# Altium PCB 4S SMART BMS İsmet Akalın.PcbDoc (part 1 of 2) (continued)
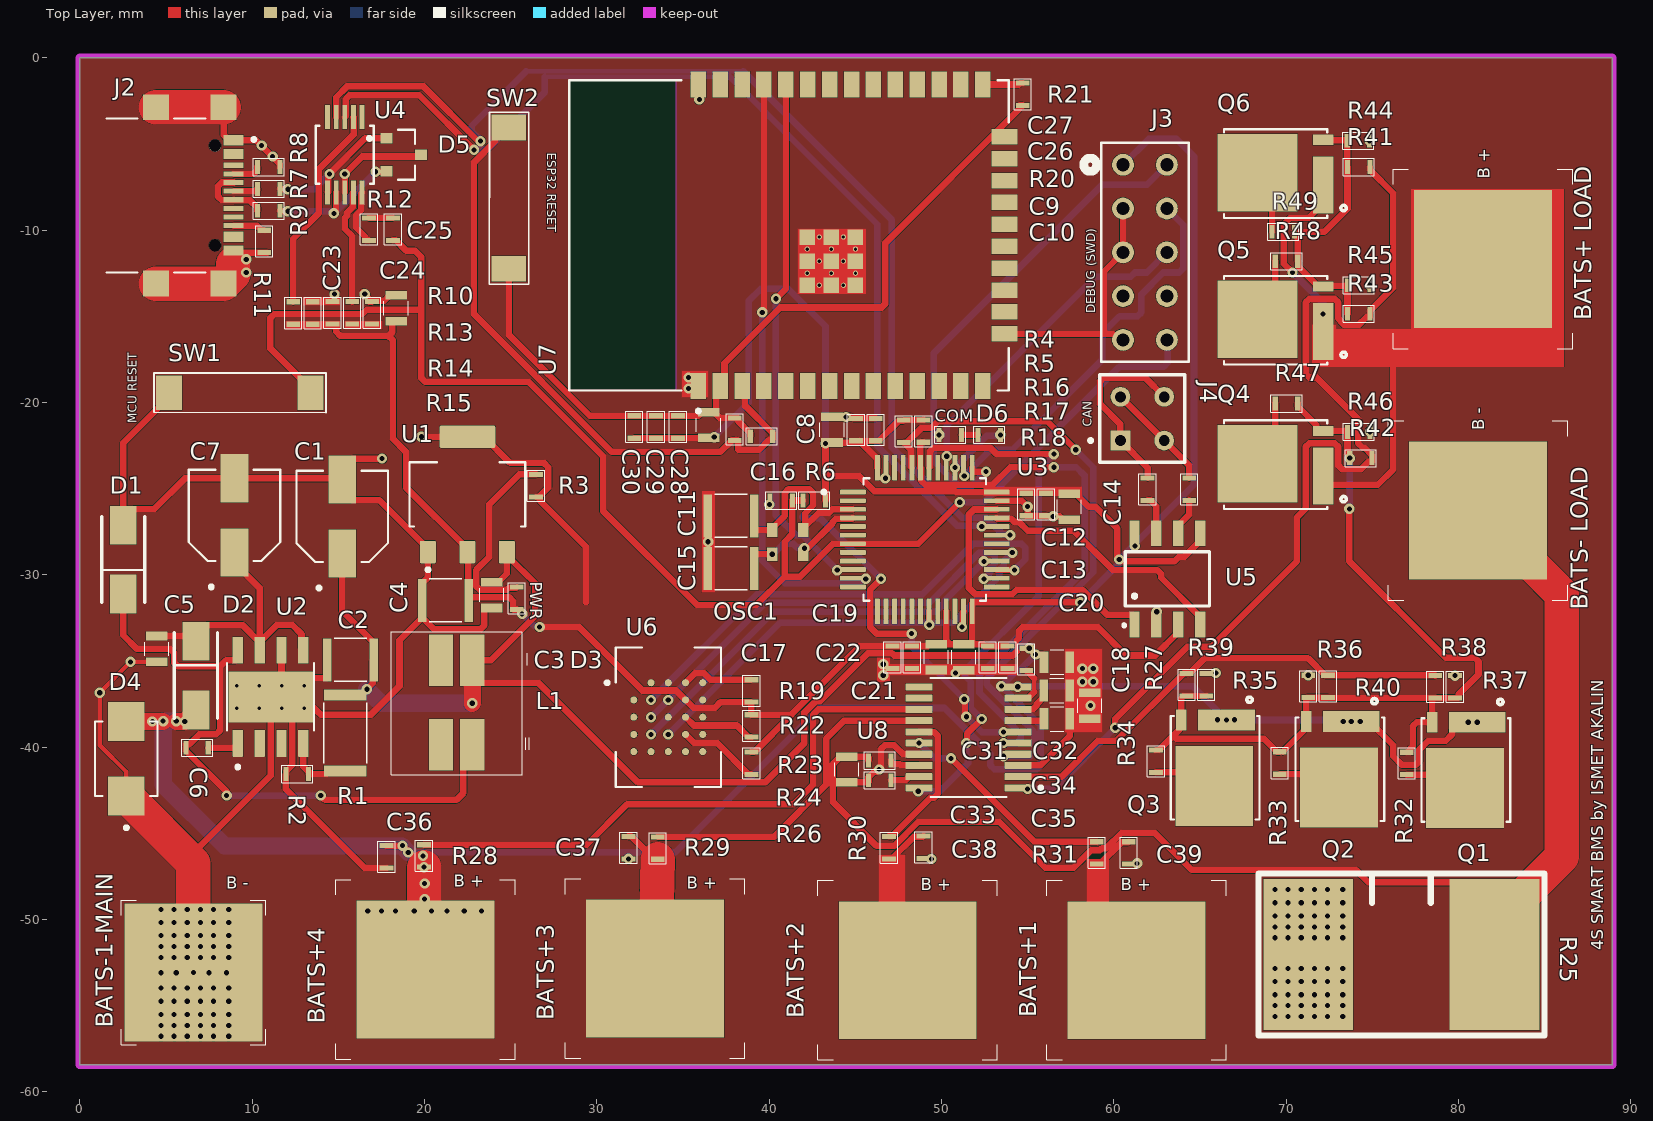
[diagram p0: Top Layer view]
## Components (designator, comment, footprint, x,y, rotation, side; value= is the part's Value field where it differs from the comment) (continued)
R23 "RMCF0603FT10K0" "RES 0603" 38.964,-40.919 r270 top value=10kΩ
R24 "RCP0603W10R0GEB" "RES 0603" 46.406,-41.91 r180 top value=10Ω
R25 "SSA5931LR001FDR" "Shunt 5931" 76.683,-52.019 r180 top value=1mΩ
R26 "RCP0603W10R0GEB" "RES 0603" 46.406,-40.767 r180 top value=10Ω
R27 "RT0603DRE0710RL" "RES 0603" 54.915,-34.9 r270 top value=10Ω
R28 "RG1608P-104-B-T5" "RES 0603" 19.964,-46.304 r90 top value=100kΩ
R29 "RG1608P-104-B-T5" "RES 0603" 33.528,-45.847 r90 top value=100kΩ
R30 "RG1608P-104-B-T5" "RES 0603" 46.939,-45.822 r90 top value=100kΩ
R31 "RG1608P-104-B-T5" "RES 0603" 59.004,-46.126 r90 top value=100kΩ
R32 "RG1608P-104-B-T5" "RES 0603" 76.992,-40.936 r270 top value=100kΩ
R33 "RG1608P-104-B-T5" "RES 0603" 69.626,-40.911 r270 top value=100kΩ
R34 "RG1608P-104-B-T5" "RES 0603" 62.437,-40.809 r270 top value=100kΩ
R35 "RG1608P-101-B-T5" "RES 0603" 65.358,-36.364 r90 top value=100Ω
R36 "RG1608P-101-B-T5" "RES 0603" 71.277,-36.466 r90 top value=100Ω
R37 "RG1608P-101-B-T5" "RES 0603" 79.786,-36.491 r90 top value=100Ω
R38 "RG1608P-101-B-T5" "RES 0603" 78.643,-36.491 r270 top value=100Ω
R39 "RG1608P-101-B-T5" "RES 0603" 64.215,-36.364 r270 top value=100Ω
R40 "RG1608P-101-B-T5" "RES 0603" 72.42,-36.466 r270 top value=100Ω
R41 "RG1608P-101-B-T5" "RES 0603" 74.202,-6.329 r0 top value=100Ω
R42 "RG1608P-101-B-T5" "RES 0603" 74.329,-23.22 r0 top value=100Ω
R43 "RG1608P-101-B-T5" "RES 0603" 74.202,-14.838 r0 top value=100Ω
R44 "RG1608P-101-B-T5" "RES 0603" 74.187,-4.805 r180 top value=100Ω
R45 "RG1608P-101-B-T5" "RES 0603" 74.202,-13.187 r180 top value=100Ω
R46 "RG1608P-101-B-T5" "RES 0603" 74.202,-21.696 r180 top value=100Ω
R47 "RG1608P-104-B-T5" "RES 0603" 70.011,-20.045 r0 top value=100kΩ
R48 "RG1608P-104-B-T5" "RES 0603" 70.011,-11.79 r0 top value=100kΩ
R49 "RG1608P-104-B-T5" "RES 0603" 69.825,-10.084 r0 top value=100kΩ
SW1 "PTS636SM50JSMTR LFS" "SWITCH TACTILE" 9.271,-19.431 r0 top
SW2 "PTS636SM50JSMTR LFS" "SWITCH TACTILE" 24.892,-8.128 r270 top
U1 "AMS1117-3.3" SOT-223-3L 22.479,-25.324 r0 top
U2 "TPS5430DDA" 8SOPWR 11.059,-37.074 r90 top
U3 "STM32G431CBT6" LQFP48 49.022,-27.94 r0 top
U4 "USB TO SERIAL IC - CH340E (10 PA" 10-MSOP 15.367,-5.613 r90 top
U5 "MCP2562-H/SN" 8-SOIC 63.094,-30.226 r90 top
U6 "W25Q128JVBJM" "24-TFBGA (6x8)" 34.138,-38.252 r0 top
U7 "ESP32-WROOM-32 (16MB)" "ESP32-WROOM-32 (16MB)" 41.141,-10.289 r90 top
U8 "BQ7692000PW" 20-TSSOP 51.562,-39.426 r180 top

## Footprints (in the part's own frame and the unit in brackets; to place one, negate y for a bottom-side part, rotate by r counter-clockwise, add the part's x,y. Pads: shape width x height; smd on the part's side, far side on the other; paste and mask are expansions set on the pad)
8-PowerTDFN [mm]
  rect 1.2x3.3 smd paste-3 mask+0: DRAIN(-2.775,0.66)
  rect 1.2x0.6 smd paste-2 mask-0.05: GATE(-2.775,-1.96)
  rect 4.65x4.51 smd paste-3 mask+0: SOURCE(1.05,-0.055)
  silkscreen extent -4.11,-2.58 3,2.58, body extent -3.03,-2.61 3,2.61, height 1.2
8-SOIC [mm]
  rect 1.5x0.6 smd: 1(-2.65,1.905) 2(-2.65,0.635) 3(-2.65,-0.635) 4(-2.65,-1.905) 5(2.65,-1.905) 6(2.65,-0.635) 7(2.65,0.635) 8(2.65,1.905)
  silkscreen extent -2.84,-2.45 1.58,2.64, body extent -3,-2.45 3,2.45, height 1.75
8SOPWR [mm]
  rrect5% 1.55x0.6 smd mask+0: 1(-2.7,1.905) 2(-2.7,0.635) 3(-2.7,-0.635) 4(-2.7,-1.905) 5(2.7,-1.905) 6(2.7,-0.635) 7(2.7,0.635) 8(2.7,1.905)
  rect 2.95x4.9 smd paste-3 mask+0: 6(0,0)
  round 0.3 hole 0.2: 10(-0.65,1.95) 11(0.65,1.95) 12(-0.65,0.65) 13(0.65,0.65) 14(-0.65,-0.65) 15(0.65,-0.65) 16(-0.65,-1.95) 17(0.65,-1.95)
  silkscreen extent -4.17,-2.52 1.95,2.52, body extent -3,-2.45 3,2.45, height 1.7
10-MSOP [mil]
  rect 55x11 smd: 1(-86,39.4) 2(-86,19.7) 3(-86,0) 4(-86,-19.7) 5(-86,-39.4) 6(86,-39.4) 7(86,-19.7) 8(86,0) 9(86,19.7) 10(86,39.4)
  silkscreen extent -66,-66 66,66, body extent -96,-59 96,59, height 43
20-TSSOP [mm]
  rrect25% 1.57x0.41 smd: 1(-2.87,2.925) 2(-2.87,2.275) 3(-2.87,1.625) 4(-2.87,0.975) 5(-2.87,0.325) 6(-2.87,-0.325) 7(-2.87,-0.975) 8(-2.87,-1.625) 9(-2.87,-2.275) 10(-2.87,-2.925) 11(2.87,-2.925) 12(2.87,-2.275) 13(2.87,-1.625) 14(2.87,-0.975) 15(2.87,-0.325) 16(2.87,0.325) 17(2.87,0.975) 18(2.87,1.625) 19(2.87,2.275) 20(2.87,2.925)
  silkscreen extent -4.29,-3.45 2.2,3.45, body extent -3.2,-3.25 3.2,3.25, height 1.2
"24-TFBGA (6x8)" [mm]
  round 0.41 smd: A2(-1,2) A3(0,2) A4(1,2) A5(2,2) B1(-2,1) B2(-1,1) B3(0,1) B4(1,1) B5(2,1) C1(-2,0) C2(-1,0) C3(0,0) C4(1,0) C5(2,0) D1(-2,-1) D2(-1,-1) D3(0,-1) D4(1,-1) D5(2,-1) E1(-2,-2) E2(-1,-2) E3(0,-2) E4(1,-2) E5(2,-2)
  silkscreen extent -3.65,-4.05 3.05,4.05, body extent -3,-4 3,4, height 1.2
"BATTERY +1S" [mm]
  rect 8x8 smd mask+0.08: +(0,0)
  silkscreen extent -5.21,-5.21 5.21,5.21
"BATTERY -1S" [mm]
  rect 8x8 smd mask+0.08: -(0,0)
  silkscreen extent -4.19,-4.19 4.19,4.19
"CAP CER 0603" [mm]
  rect 0.3x0.8 smd mask+0.08: 1(-0.65,0) 2(0.65,0)
  silkscreen extent -0.9,-0.5 0.9,0.5, body extent -0.8,-0.4 0.8,0.4, height 0.8
"CAP CER 0805" [mm]
  rect 0.5x1.25 smd mask+0.08: 1(-0.75,0) 2(0.75,0)
  silkscreen extent -0.4,-0.7 0.4,0.7, body extent -1,-0.63 1,0.63, height 1.23
"CAP CER 1210" [mm]
  rect 0.5x2.5 smd mask+0.08: 1(-1.35,0) 2(1.35,0)
  silkscreen extent -0.95,-1.25 0.95,1.25, body extent -1.6,-1.25 1.6,1.25, height 2.5
CAP_EEE-1AA101WR [mm]
  rect 2.8x1.6 smd: 1(-2.15,0) 2(2.15,0)
  silkscreen extent -4.25,-2.65 2.65,2.65, body extent -3,-2.65 3,2.65, height 5.8
CAP_EEE-FK1E470P [mm]
  rect 2.8x1.6 smd: 1(-2.15,0) 2(2.15,0)
  silkscreen extent -4.25,-2.65 2.65,2.65, body extent -3,-2.65 3,2.65, height 5.8
"DO-214AC (SMA)" [mm]
  rect 2.25x1.55 smd: 1(2,0) 2(-2,0)
  silkscreen extent -2.47,-1.25 2.47,1.25, body extent -2.47,-1.25 2.47,1.25, height 2.2
"ESP32-WROOM-32 (16MB)" [mm]
  rect 1.5x0.9 smd: 1(-8.75,5.26) 2(-8.75,3.99) 3(-8.75,2.72) 4(-8.75,1.45) 5(-8.75,0.18) 6(-8.75,-1.09) 7(-8.75,-2.36) 8(-8.75,-3.63) 9(-8.75,-4.9) 10(-8.75,-6.17) 11(-8.75,-7.44) 12(-8.75,-8.71) 13(-8.75,-9.98) 14(-8.75,-11.25) 25(8.75,-11.25) 26(8.75,-9.98) 27(8.75,-8.71) 28(8.75,-7.44) 29(8.75,-6.17) 30(8.75,-4.9) 31(8.75,-3.63) 32(8.75,-2.36) 33(8.75,-1.09) 34(8.75,0.18) 35(8.75,1.45) 36(8.75,2.72) 37(8.75,3.99) 38(8.75,5.26)
  rect 0.9x1.5 smd: 15(-5.715,-12.5) 16(-4.445,-12.5) 17(-3.175,-12.5) 18(-1.905,-12.5) 19(-0.635,-12.5) 20(0.635,-12.5) 21(1.905,-12.5) 22(3.175,-12.5) 23(4.445,-12.5) 24(5.715,-12.5)
  rect 0.9x0.9 smd: 39_1(-2.9,-1.06) 39_2(-1.5,-1.06) 39_3(-0.1,-1.06) 39_4(-2.9,-2.46) 39_5(-1.5,-2.46) 39_6(-0.1,-2.46) 39_7(-2.9,-3.86) 39_8(-1.5,-3.86) 39_9(-0.1,-3.86)
  round 0.3 hole 0.2 mask+0: 39_10(-2.2,-1.06) 39_11(-0.8,-1.06) 39_12(-2.9,-1.76) 39_13(-1.5,-1.76) 39_14(-0.1,-1.76) 39_15(-2.2,-2.46) 39_16(-0.8,-2.46) 39_17(-2.9,-3.16) 39_18(-1.5,-3.16) 39_19(-0.1,-3.16) 39_20(-2.2,-3.86) 39_21(-0.8,-3.86)
  Keep-Out Layer region: 9,6.56 -9,6.56 -9,12.75 9,12.75
  silkscreen extent -10.3,-12.75 9,12.75, body extent -9,-12.75 9,12.75, height 3.25
"LED 0603" [mm]
  rect 0.3x0.8 smd mask+0.08: 1(-0.65,0) 2(0.65,0)
  silkscreen extent -0.9,-0.5 0.9,0.5, body extent -0.8,-0.4 0.8,0.4, height 0.8
LQFP48 [mm]
  rrect25% 1.49x0.28 smd: 1(-4.17,2.75) 2(-4.17,2.25) 3(-4.17,1.75) 4(-4.17,1.25) 5(-4.17,0.75) 6(-4.17,0.25) 7(-4.17,-0.25) 8(-4.17,-0.75) 9(-4.17,-1.25) 10(-4.17,-1.75) 11(-4.17,-2.25) 12(-4.17,-2.75) 25(4.17,-2.75) 26(4.17,-2.25) 27(4.17,-1.75) 28(4.17,-1.25) 29(4.17,-0.75) 30(4.17,-0.25) 31(4.17,0.25) 32(4.17,0.75) 33(4.17,1.25) 34(4.17,1.75) 35(4.17,2.25) 36(4.17,2.75)
  rrect25% 0.28x1.49 smd: 13(-2.75,-4.17) 14(-2.25,-4.17) 15(-1.75,-4.17) 16(-1.25,-4.17) 17(-0.75,-4.17) 18(-0.25,-4.17) 19(0.25,-4.17) 20(0.75,-4.17) 21(1.25,-4.17) 22(1.75,-4.17) 23(2.25,-4.17) 24(2.75,-4.17) 37(2.75,4.17) 38(2.25,4.17) 39(1.75,4.17) 40(1.25,4.17) 41(0.75,4.17) 42(0.25,4.17) 43(-0.25,4.17) 44(-0.75,4.17) 45(-1.25,4.17) 46(-1.75,4.17) 47(-2.25,4.17) 48(-2.75,4.17)
  silkscreen extent -5.96,-3.55 3.55,3.55, body extent -4.5,-4.5 4.5,4.5, height 1.58
"NTC 1206" [mm]
  rect 0.6x1.6 smd mask+0.08: 1(-1.287,0) 2(1.288,0)
  silkscreen extent -0.87,-0.85 0.87,0.85, body extent -1.6,-0.75 1.6,0.75, height 1.6
"OSC_4-SMD, No Lead" [mm]
  rect 0.6x0.8 smd mask+0.08: 1(-0.9,-0.7) 1(0.9,-0.7) 2(-0.9,0.7) 2(0.9,0.7)
  body extent -1,-0.8 1,0.8, height 0.7
"RES 0603" [mm]
  rect 0.3x0.8 smd mask+0.08: 1(-0.65,0) 2(0.65,0)
  silkscreen extent -0.9,-0.5 0.9,0.5, body extent -0.8,-0.4 0.8,0.4, height 0.45
"RES 2010" [mm]
  rect 0.64x2.46 smd mask+0.08: 1(-2.195,0) 2(2.195,0)
  silkscreen extent -1.75,-1.25 1.75,1.25, body extent -2.5,-1.25 2.5,1.25, height 0.55
"Shunt 5931" [mm]
  rect 5.2x8.75 smd mask+0.08: 1(-5.4,0) 2(5.4,0)
  silkscreen extent -8.3,-4.7 8.3,4.7, body extent -7.6,-3.8 7.4,3.95, height 1.1
SMBJ24A [mm]
  rect 2.28x2.12 smd: 1(2.165,0) 2(-2.165,0)
  silkscreen extent -4.1,-1.81 2.16,1.81, body extent -2.67,-1.81 2.67,1.81, height 2.65
SOT-23 [mm]
  rect 0.7x0.6 smd paste-0.05: 1(-1,0.95) 2(-1,-0.95) 3(1,0)
  silkscreen extent -2.1,-1.45 0.65,1.45, body extent -1.15,-1.45 1.15,1.45, height 1.1
SOT-223-3L [mm]
  rrect15% 0.93x1.31 smd: 1(-2.29,-3.345) 2(0,-3.345) 3(2.29,-3.345)
  rrect15% 3.24x1.31 smd: 1(0,3.345)
  silkscreen extent -3.36,-4.47 3.36,1.86, body extent -3.15,-3.5 3.15,3.5, height 1.8
"SRF0703 Series INDUCTOR" [mm]
  rect 1.4x3 smd mask+0.08: 1(0.9,2.45) 2(0.9,-2.45) 3(-0.9,2.45) 4(-0.9,-2.45)
  silkscreen extent -3.8,-4.2 4.2,4.1, body extent -3.65,-3.65 3.65,3.65, height 3.4
"SWITCH TACTILE" [mm]
  rect 1.5x2 smd mask+0.08: 1(-4.1,0) 2(4.1,0)
  silkscreen extent -4.97,-1.15 5,1.15, body extent -4.3,-1.78 4.3,1.72, height 4.3
TD-102-T-A [mil]
  rect 45x45 / inner round 45 / far side rect 45x45 hole 25 mask+1.97: 01(-50,-50)
  round 45 hole 25 mask+1.97: 02(-50,50) 03(50,-50) 04(50,50)
  silkscreen extent -122,-100 97,100, body extent -97,-100 97,100, height 326
TD-105-T-A [mil]
  round 50 hole 30: 1(-200,-50) 2(-200,50) 3(-100,-50) 4(-100,50) 5(0,-50) 6(0,50) 7(100,-50) 8(100,50) 9(200,-50) 10(200,50)
  silkscreen extent -250,-140 250,100, body extent -247,-100 247,100, height 326
TYPE-C [mm] "GSB1C41110SSHR"
  rect 0.6x1.15 smd mask+0.05: A1_B12(-3.2,3.68) A4_B9(-2.4,3.68) B1_A12(3.2,3.68) B4_A9(2.4,3.68)
  rect 0.3x1.15 smd mask+0.05: A5(-1.25,3.68) A6(-0.25,3.68) A7(0.25,3.68) A8(1.25,3.68) B5(1.75,3.68) B6(0.75,3.68) B7(-0.75,3.68) B8(-1.75,3.68)
  rect 1.5x1.5 smd: SH1(-5.12,3.105) SH2(5.12,3.105) SH3(-5.12,-0.825) SH4(5.12,-0.825)
  round 0.7 hole 0.7 unplated: ""(-2.89,2.605) ""(2.89,2.605)
  silkscreen extent -4.47,-3.67 4.47,4.95, body extent -5.67,-3.79 5.67,3.81, height 3.2

## Part data
BATS+1 BATS+2 BATS+3 BATS+4 "BATS+ LOAD": "battery + pad"
BATS-1-MAIN "BATS- LOAD": "battery - pad"
C1: library part "CAP ALUM 100UF 10V", "CAP ALUM 100UF 20% 10V SMD", Case/Package=Radial, Leakage Current=10µA, Manufacturer=Panasonic, Max Operating Temperature=85°C, Min Operating Temperature=-40°C, Ripple Current=50mA, Tolerance=20%, Voltage Rating=10V, Category="Aluminum Electrolytic Capacitors", ComponentLink1Description=https://datasheet.octopart.com:443/EEE-1AA101WR-Panasonic-datasheet-62330071.pdf?src-supplier=Newark, ComponentLink1URL=https://datasheet.octopart.com:443/EEE-1AA101WR-Panasonic-datasheet-62330071.pdf?src-supplier=Newark, ComponentLink2Description=https://datasheet.octopart.com:443/EEE-1AA101WR-Panasonic-datasheet-5314063.pdf?src-supplier=Newark, ComponentLink2URL=https://datasheet.octopart.com:443/EEE-1AA101WR-Panasonic-datasheet-5314063.pdf?src-supplier=Newark, ComponentLink3Description=https://datasheet.octopart.com:443/EEE-1AA101WR-Panasonic-datasheet-41169183.pdf?src-supplier=Newark, ComponentLink3URL=https://datasheet.octopart.com:443/EEE-1AA101WR-Panasonic-datasheet-41169183.pdf?src-supplier=Newark, ComponentLink4Description=https://datasheet.octopart.com:443/EEE-1AA101WR-Panasonic-datasheet-13265900.pdf?src-supplier=RS+(Formerly+Allied+Electronics), ComponentLink4URL=https://datasheet.octopart.com:443/EEE-1AA101WR-Panasonic-datasheet-13265900.pdf?src-supplier=RS+(Formerly+Allied+Electronics), ComponentLink5Description=https://datasheet.octopart.com:443/EEE-1AA101WR-Panasonic-datasheet-34230028.pdf?src-supplier=element14+APAC, ComponentLink5URL=https://datasheet.octopart.com:443/EEE-1AA101WR-Panasonic-datasheet-34230028.pdf?src-supplier=element14+APAC, ComponentLink6Description=https://datasheet.octopart.com:443/EEE-1AA101WR-Panasonic-datasheet-154766114.pdf?src-supplier=Master+Electronics, ComponentLink6URL=https://datasheet.octopart.com:443/EEE-1AA101WR-Panasonic-datasheet-154766114.pdf?src-supplier=Master+Electronics, ComponentLink7Description=https://datasheet.octopart.com:443/EEE-1AA101WR-Panasonic-datasheet-11548988.pdf?src-supplier=Arrow+Electronics, ComponentLink7URL=https://datasheet.octopart.com:443/EEE-1AA101WR-Panasonic-datasheet-11548988.pdf?src-supplier=Arrow+Electronics, ComponentLink8Description=https://datasheet.octopart.com:443/EEE1AA101WR-Panasonic-datasheet-150469818.pdf?src-supplier=TME, ComponentLink8URL=https://datasheet.octopart.com:443/EEE1AA101WR-Panasonic-datasheet-150469818.pdf?src-supplier=TME, ComponentLink9Description=https://sigma.octopart.com:443/150570760/technical_drawing/Panasonic-EEE1AA101WR.pdf?src-supplier=Panasonic+SCT, ComponentLink9URL=https://sigma.octopart.com:443/150570760/technical_drawing/Panasonic-EEE1AA101WR.pdf?src-supplier=Panasonic+SCT, ComponentLink10Description=https://datasheet.octopart.com:443/EEE-1AA101WR-Panasonic-datasheet-6019.pdf?src-supplier=DigiKey, ComponentLink10URL=https://datasheet.octopart.com:443/EEE-1AA101WR-Panasonic-datasheet-6019.pdf?src-supplier=DigiKey, Contact Plating=Tin, Diameter=5mm, Dissipation Factor=30%, Height=5.4mm, Height - Seated (Max)=5.4102mm, Lead Free="Lead Free", Length=5.3mm, Life (Hours)=1000hours, Lifecycle Status=NRND, Manufacturer Part Number=EEE-1AA101WR, Mounting Technology="Surface Mount", Number of Terminals=2, Packaging="Cut Tape", Pricing="1000=0,0647 (USD)", Radiation Hardening=No, REACH SVHC=Yes, Ripple Current (AC)=50mA, RoHS=Compliant, Schedule B="8532220020, 8532220020|8532220020|8532220020|8532220020|8532220020", Stock=26000, Supplier="Arrow Electronics", Supplier Part Number=EEE-1AA101WR, Termination=SMD/SMT, Voltage Rating (DC)=10V, Width=5.3mm
C2 C4 C11 C15: library part "CAP CER 22UF 10V 1210", "CAP CER 22UF 10V X7R 1210", Case/Package=1210, Dielectric=X7R, Dielectric Material=Ceramic, Manufacturer=KEMET, Max Operating Temperature=125°C, Min Operating Temperature=-55°C, Tolerance=5%, Voltage Rating (DC)=10V, Category="Ceramic Capacitors", China RoHS=Compliant, ComponentLink1Description=https://datasheet.octopart.com:443/C1210C226J8RACTU-KEMET-datasheet-178445679.pdf?src-supplier=IHS, ComponentLink1URL=https://datasheet.octopart.com:443/C1210C226J8RACTU-KEMET-datasheet-178445679.pdf?src-supplier=IHS, ComponentLink2Description=https://datasheet.octopart.com/C1210C226J8RACTU-KEMET-datasheet-84169754.pdf, ComponentLink2URL=https://datasheet.octopart.com/C1210C226J8RACTU-KEMET-datasheet-84169754.pdf, Height=2.5mm, Length=3.2mm, Lifecycle Status=Production, Manufacturer Part Number=C1210C226J8RACTU, Mounting Technology="Surface Mount", Number of Terminals=2, Pricing="1000=2,466, 2000=2,456, 3000=2,445, 4000=2,434, 5000=2,422, 6000=2,411, 10000=2,4, 20000=2,388, 50000=2,376 (USD)", REACH SVHC=Yes, RoHS=Compliant, Supplier="Arrow Electronics", Supplier Part Number=C1210C226J8RACTU, Width=2.5mm
C3 C24: library part "CAP CER 10UF 50V 0805", "10 µF ±10% 50V Ceramic Capacitor X5R 0805 (2012 Metric)", Capacitance="10 µF", Operating Temperature="-55°C ~ 85°C", Package / Case="0805 (2012 Metric)", Temperature Coefficient=X5R, Tolerance=±10%, Voltage - Rated=50V, ComponentLink1Description=Datasheet, ComponentLink1URL=https://mm.digikey.com/Volume0/opasdata/d220001/medias/docus/5660/3372_0805W106K500CC.pdf, ComponentLink2Description="Supplier Link", ComponentLink2URL=https://www.digikey.com/en/products/detail/nextgen-components/0805W106K500CC/18677029, Mounting Type="Surface Mount, MLCC", Series=0805, Size / Dimension="0.079\" L x 0.049\" W (2.00mm x 1.25mm)", Thickness (Max)="0.057\" (1.45mm)"
C5 C32 C34: library part "CAP CER 1UF 50V 0805", "CAP CER 1UF 50V X7R 0805", Case Code (Metric)=2012, Case Code (Imperial)=0805, Dielectric=X7R, Dielectric Material=Ceramic, Manufacturer="Samsung Electro-Mechanics", Max Operating Temperature=125°C, Min Operating Temperature=-55°C, Tolerance=10%, Voltage=50V, Case/Package=0805, Category="Ceramic Capacitors", China RoHS=Compliant, ComponentLink1Description=https://datasheet.octopart.com:443/CL21B105KBFNNNE-Samsung-Electro-Mechanics-datasheet-136482495.pdf?src-supplier=IHS, ComponentLink1URL=https://datasheet.octopart.com:443/CL21B105KBFNNNE-Samsung-Electro-Mechanics-datasheet-136482495.pdf?src-supplier=IHS, ComponentLink2Description=https://datasheet.octopart.com:443/CL21B105KBFNNNE-Samsung-Electro-Mechanics-datasheet-11733377.pdf?src-supplier=Future+Electronics, ComponentLink2URL=https://datasheet.octopart.com:443/CL21B105KBFNNNE-Samsung-Electro-Mechanics-datasheet-11733377.pdf?src-supplier=Future+Electronics, ComponentLink3Description=https://datasheet.octopart.com:443/CL21B105KBFNNNE-Samsung-Electro-Mechanics-datasheet-116891038.pdf?src-supplier=Future+Electronics, ComponentLink3URL=https://datasheet.octopart.com:443/CL21B105KBFNNNE-Samsung-Electro-Mechanics-datasheet-116891038.pdf?src-supplier=Future+Electronics, ComponentLink4Description=https://datasheet.octopart.com:443/CL21B105KBFNNNE-Samsung-Electro-Mechanics-datasheet-81462183.pdf?src-supplier=Future+Electronics, ComponentLink4URL=https://datasheet.octopart.com:443/CL21B105KBFNNNE-Samsung-Electro-Mechanics-datasheet-81462183.pdf?src-supplier=Future+Electronics, ComponentLink5Description=https://datasheet.octopart.com:443/CL21B105KBFNNNE-Samsung-datasheet-48647582.pdf?src-supplier=Future+Electronics, ComponentLink5URL=https://datasheet.octopart.com:443/CL21B105KBFNNNE-Samsung-datasheet-48647582.pdf?src-supplier=Future+Electronics, ComponentLink6Description=https://datasheet.octopart.com:443/CL21B105KBFNNNE-Samsung-datasheet-8326294.pdf?src-supplier=Future+Electronics, ComponentLink6URL=https://datasheet.octopart.com:443/CL21B105KBFNNNE-Samsung-datasheet-8326294.pdf?src-supplier=Future+Electronics, ComponentLink7Description=https://datasheet.octopart.com:443/CL21B105KBFNNNE-Samsung-Electro-Mechanics-datasheet-149045959.pdf?src-supplier=Future+Electronics, ComponentLink7URL=https://datasheet.octopart.com:443/CL21B105KBFNNNE-Samsung-Electro-Mechanics-datasheet-149045959.pdf?src-supplier=Future+Electronics, ComponentLink8Description=https://datasheet.octopart.com/CL21B105KBFNNNE-Samsung-Electro-Mechanics-datasheet-97040617.pdf, ComponentLink8URL=https://datasheet.octopart.com/CL21B105KBFNNNE-Samsung-Electro-Mechanics-datasheet-97040617.pdf, ComponentLink9Description=https://datasheet.octopart.com/CL21B105KBFNNNE-Samsung-Electro-Mechanics-datasheet-8324245.pdf, ComponentLink9URL=https://datasheet.octopart.com/CL21B105KBFNNNE-Samsung-Electro-Mechanics-datasheet-8324245.pdf, ComponentLink10Description=https://datasheet.octopart.com/General-Multilayer-Ceramic-Capacitors-Samsung-datasheet-family-111.pdf, ComponentLink10URL=https://datasheet.octopart.com/General-Multilayer-Ceramic-Capacitors-Samsung-datasheet-family-111.pdf, ComponentLink11Description=https://datasheet.octopart.com:443/CL21B105KBFNNNE-Samsung-datasheet-59220082.pdf?src-supplier=TME, ComponentLink11URL=https://datasheet.octopart.com:443/CL21B105KBFNNNE-Samsung-datasheet-59220082.pdf?src-supplier=TME, ComponentLink12Description=http://sigma.octopart.com:80/rohs_certificate/General-Multilayer-Ceramic-Capacitors-Samsung-family-110.pdf?src-supplier=Compliance+Statements, ComponentLink12URL=http://sigma.octopart.com:80/rohs_certificate/General-Multilayer-Ceramic-Capacitors-Samsung-family-110.pdf?src-supplier=Compliance+Statements, ComponentLink13Description=http://sigma.octopart.com:80/rohs_statement/General-Multilayer-Ceramic-Capacitors-Samsung-family-132.pdf?src-supplier=Compliance+Statements, ComponentLink13URL=http://sigma.octopart.com:80/rohs_statement/General-Multilayer-Ceramic-Capacitors-Samsung-family-132.pdf?src-supplier=Compliance+Statements, ComponentLink14Description=http://sigma.octopart.com:80/reach_statement/General-Multilayer-Ceramic-Capacitors-Samsung-family-133.pdf?src-supplier=Compliance+Statements, ComponentLink14URL=http://sigma.octopart.com:80/reach_statement/General-Multilayer-Ceramic-Capacitors-Samsung-family-133.pdf?src-supplier=Compliance+Statements, Depth=1.25mm, Height=1.35mm, Length=2mm, Lifecycle Status=Production, Manufacturer Part Number=CL21B105KBFNNNE, Material=Ceramic, Mounting Technology="Surface Mount", Number of Terminals=2, Pricing="10000=0,0106 (USD)", Radiation Hardening=No, REACH SVHC=Yes, RoHS=Compliant, Schedule B="8532240020, 8532240020|8532240020, 8532240020|8532240020|8532240020, 8532240020|8532240020|8532240020|8532240020", Stock=4546000, Supplier="Arrow Electronics", Supplier Part Number=CL21B105KBFNNNE, Thickness=1.3462mm, Voltage Rating=50V, Voltage Rating (DC)=50V, Width=1.25mm
C6 C36 C37 C38 C39: library part "CAP CER 0.01µF (10 nF) 50V 0603", "CAP CER 10000PF 50V X7R 0603", Case Code (Imperial)=0603, Dielectric=X7R, Dielectric Material=Ceramic, Manufacturer=KEMET, Max Operating Temperature=125°C, Min Operating Temperature=-55°C, Temperature Coefficient=30ppm/°C, Tolerance=5%, Voltage=50V, Case/Package=0603, Category="Ceramic Capacitors", China RoHS=Compliant, ComponentLink1Description=https://datasheet.octopart.com:443/C0603C103J5RAC7867-KEMET-datasheet-179096189.pdf?src-supplier=IHS, ComponentLink1URL=https://datasheet.octopart.com:443/C0603C103J5RAC7867-KEMET-datasheet-179096189.pdf?src-supplier=IHS, ComponentLink2Description=https://datasheet.octopart.com:443/C0603C103J5RACTU-KEMET-datasheet-178445679.pdf?src-supplier=IHS, ComponentLink2URL=https://datasheet.octopart.com:443/C0603C103J5RACTU-KEMET-datasheet-178445679.pdf?src-supplier=IHS, ComponentLink3Description=https://datasheet.octopart.com:443/C0603C103J5RACTU-KEMET-datasheet-137357759.pdf?src-supplier=Upverter, ComponentLink3URL=https://datasheet.octopart.com:443/C0603C103J5RACTU-KEMET-datasheet-137357759.pdf?src-supplier=Upverter, ComponentLink4Description=https://datasheet.octopart.com:443/C0603C103J5RACTU-KEMET-datasheet-137357764.pdf?src-supplier=Upverter, ComponentLink4URL=https://datasheet.octopart.com:443/C0603C103J5RACTU-KEMET-datasheet-137357764.pdf?src-supplier=Upverter, ComponentLink5Description=https://datasheet.octopart.com:443/C0603C103J5RAC-TU-Kemet-datasheet-5313890.pdf?src-supplier=Newark, ComponentLink5URL=https://datasheet.octopart.com:443/C0603C103J5RAC-TU-Kemet-datasheet-5313890.pdf?src-supplier=Newark, ComponentLink6Description=https://datasheet.octopart.com:443/C0603C103J5RAC-TU-Kemet-datasheet-5390537.pdf?src-supplier=Newark, ComponentLink6URL=https://datasheet.octopart.com:443/C0603C103J5RAC-TU-Kemet-datasheet-5390537.pdf?src-supplier=Newark, ComponentLink7Description=https://datasheet.octopart.com:443/C0603C103J5RAC-TU-Kemet-datasheet-7541751.pdf?src-supplier=Newark, ComponentLink7URL=https://datasheet.octopart.com:443/C0603C103J5RAC-TU-Kemet-datasheet-7541751.pdf?src-supplier=Newark, ComponentLink8Description=https://datasheet.octopart.com:443/C0603C103J5RACTU-KEMET-datasheet-176289383.pdf?src-supplier=Newark, ComponentLink8URL=https://datasheet.octopart.com:443/C0603C103J5RACTU-KEMET-datasheet-176289383.pdf?src-supplier=Newark, ComponentLink9Description=https://datasheet.octopart.com:443/C0603C103J5RACTU-KEMET-datasheet-130256537.pdf?src-supplier=Newark, ComponentLink9URL=https://datasheet.octopart.com:443/C0603C103J5RACTU-KEMET-datasheet-130256537.pdf?src-supplier=Newark, ComponentLink10Description=https://datasheet.octopart.com:443/C0603C103J5RACTU-Kemet-datasheet-8764837.pdf?src-supplier=Newark, ComponentLink10URL=https://datasheet.octopart.com:443/C0603C103J5RACTU-Kemet-datasheet-8764837.pdf?src-supplier=Newark, ComponentLink11Description=https://datasheet.octopart.com:443/C0603C103J5RACTU-Kemet-datasheet-8480123.pdf?src-supplier=Newark, ComponentLink11URL=https://datasheet.octopart.com:443/C0603C103J5RACTU-Kemet-datasheet-8480123.pdf?src-supplier=Newark, ComponentLink12Description=https://datasheet.octopart.com:443/C0603C103J5RACTU-Kemet-datasheet-5393970.pdf?src-supplier=Newark, ComponentLink12URL=https://datasheet.octopart.com:443/C0603C103J5RACTU-Kemet-datasheet-5393970.pdf?src-supplier=Newark, ComponentLink13Description=https://datasheet.octopart.com:443/C0603C103J5RACTU-Kemet-datasheet-8502025.pdf?src-supplier=Newark, ComponentLink13URL=https://datasheet.octopart.com:443/C0603C103J5RACTU-Kemet-datasheet-8502025.pdf?src-supplier=Newark, ComponentLink14Description=https://datasheet.octopart.com:443/C0603C103J5RACTU-Kemet-datasheet-161801.pdf?src-supplier=Newark, ComponentLink14URL=https://datasheet.octopart.com:443/C0603C103J5RACTU-Kemet-datasheet-161801.pdf?src-supplier=Newark, ComponentLink15Description=https://datasheet.octopart.com:443/C0603C103J5RACTU-KEMET-datasheet-149521810.pdf?src-supplier=Farnell, ComponentLink15URL=https://datasheet.octopart.com:443/C0603C103J5RACTU-KEMET-datasheet-149521810.pdf?src-supplier=Farnell, ComponentLink16Description=https://datasheet.octopart.com:443/C0603C103J5RACTU-Kemet-datasheet-12608295.pdf?src-supplier=Farnell, ComponentLink16URL=https://datasheet.octopart.com:443/C0603C103J5RACTU-Kemet-datasheet-12608295.pdf?src-supplier=Farnell, ComponentLink17Description=https://datasheet.octopart.com:443/C0603C103J5RACTU-Kemet-datasheet-11992184.pdf?src-supplier=Farnell, ComponentLink17URL=https://datasheet.octopart.com:443/C0603C103J5RACTU-Kemet-datasheet-11992184.pdf?src-supplier=Farnell, ComponentLink18Description=https://datasheet.octopart.com:443/C0603C103J5RACTU-Kemet-datasheet-10942409.pdf?src-supplier=Farnell, ComponentLink18URL=https://datasheet.octopart.com:443/C0603C103J5RACTU-Kemet-datasheet-10942409.pdf?src-supplier=Farnell, ComponentLink19Description=https://datasheet.octopart.com:443/C0603C103J5RACTU-Kemet-datasheet-10404442.pdf?src-supplier=Farnell, ComponentLink19URL=https://datasheet.octopart.com:443/C0603C103J5RACTU-Kemet-datasheet-10404442.pdf?src-supplier=Farnell, ComponentLink20Description=https://datasheet.octopart.com:443/C0603C103J5RACTU-KEMET-datasheet-101575638.pdf?src-supplier=Farnell, ComponentLink20URL=https://datasheet.octopart.com:443/C0603C103J5RACTU-KEMET-datasheet-101575638.pdf?src-supplier=Farnell, ComponentLink21Description=https://datasheet.octopart.com:443/C0603C103J5RAC-TU-Kemet-datasheet-7833651.pdf?src-supplier=Farnell, ComponentLink21URL=https://datasheet.octopart.com:443/C0603C103J5RAC-TU-Kemet-datasheet-7833651.pdf?src-supplier=Farnell, ComponentLink22Description=https://datasheet.octopart.com:443/C0603C103J5RAC-TU-Kemet-datasheet-7601896.pdf?src-supplier=Farnell, ComponentLink22URL=https://datasheet.octopart.com:443/C0603C103J5RAC-TU-Kemet-datasheet-7601896.pdf?src-supplier=Farnell, ComponentLink23Description=https://datasheet.octopart.com:443/C0603C103J5RAC-TU-Kemet-datasheet-5316294.pdf?src-supplier=Farnell, ComponentLink23URL=https://datasheet.octopart.com:443/C0603C103J5RAC-TU-Kemet-datasheet-5316294.pdf?src-supplier=Farnell, ComponentLink24Description=https://datasheet.octopart.com:443/C0603C103J5RAC-TU-Kemet-datasheet-5314837.pdf?src-supplier=Farnell, ComponentLink24URL=https://datasheet.octopart.com:443/C0603C103J5RAC-TU-Kemet-datasheet-5314837.pdf?src-supplier=Farnell, ComponentLink25Description=https://datasheet.octopart.com:443/C0603C103J5RAC-TU-Kemet-datasheet-8092359.pdf?src-supplier=Farnell, ComponentLink25URL=https://datasheet.octopart.com:443/C0603C103J5RAC-TU-Kemet-datasheet-8092359.pdf?src-supplier=Farnell, ComponentLink26Description=https://datasheet.octopart.com:443/C0603C103J5RAC-TU-Kemet-datasheet-5314449.pdf?src-supplier=Farnell, ComponentLink26URL=https://datasheet.octopart.com:443/C0603C103J5RAC-TU-Kemet-datasheet-5314449.pdf?src-supplier=Farnell, ComponentLink27Description=https://datasheet.octopart.com:443/C0603C103J5RAC-TU-Kemet-datasheet-5314969.pdf?src-supplier=Farnell, ComponentLink27URL=https://datasheet.octopart.com:443/C0603C103J5RAC-TU-Kemet-datasheet-5314969.pdf?src-supplier=Farnell, ComponentLink28Description=https://datasheet.octopart.com:443/C0603C103J5RAC-TU-Kemet-datasheet-5314627.pdf?src-supplier=Farnell, ComponentLink28URL=https://datasheet.octopart.com:443/C0603C103J5RAC-TU-Kemet-datasheet-5314627.pdf?src-supplier=Farnell, ComponentLink29Description=https://datasheet.octopart.com:443/C0603C103J5RAC-TU-Kemet-datasheet-5389132.pdf?src-supplier=Farnell, ComponentLink29URL=https://datasheet.octopart.com:443/C0603C103J5RAC-TU-Kemet-datasheet-5389132.pdf?src-supplier=Farnell, ComponentLink30Description=https://datasheet.octopart.com:443/C0603C103J5RAC-TU-Kemet-datasheet-5313836.pdf?src-supplier=Farnell, ComponentLink30URL=https://datasheet.octopart.com:443/C0603C103J5RAC-TU-Kemet-datasheet-5313836.pdf?src-supplier=Farnell, ComponentLink31Description=https://datasheet.octopart.com:443/C0603C103J5RAC-TU-Kemet-datasheet-8111010.pdf?src-supplier=Farnell, ComponentLink31URL=https://datasheet.octopart.com:443/C0603C103J5RAC-TU-Kemet-datasheet-8111010.pdf?src-supplier=Farnell, ComponentLink32Description=https://datasheet.octopart.com:443/C0603C103J5RAC-TU-Kemet-datasheet-7627733.pdf?src-supplier=Farnell, ComponentLink32URL=https://datasheet.octopart.com:443/C0603C103J5RAC-TU-Kemet-datasheet-7627733.pdf?src-supplier=Farnell, ComponentLink33Description=https://datasheet.octopart.com:443/C0603C103J5RAC-TU-Kemet-datasheet-5315946.pdf?src-supplier=Farnell, ComponentLink33URL=https://datasheet.octopart.com:443/C0603C103J5RAC-TU-Kemet-datasheet-5315946.pdf?src-supplier=Farnell, ComponentLink34Description=https://datasheet.octopart.com:443/C0603C103J5RACTU-Kemet-datasheet-32036385.pdf?src-supplier=Electro+Sonic, ComponentLink34URL=https://datasheet.octopart.com:443/C0603C103J5RACTU-Kemet-datasheet-32036385.pdf?src-supplier=Electro+Sonic, ComponentLink35Description=https://datasheet.octopart.com:443/C0603C103J5RACTU-KEMET-datasheet-157246124.pdf?src-supplier=Electro+Sonic, ComponentLink35URL=https://datasheet.octopart.com:443/C0603C103J5RACTU-KEMET-datasheet-157246124.pdf?src-supplier=Electro+Sonic, ComponentLink36Description=https://datasheet.octopart.com:443/C0603C103J5RACTU-KEMET-datasheet-164512540.pdf?src-supplier=TME, ComponentLink36URL=https://datasheet.octopart.com:443/C0603C103J5RACTU-KEMET-datasheet-164512540.pdf?src-supplier=TME, ComponentLink37Description=https://datasheet.octopart.com:443/C0603C103J5RACTU-KEMET-datasheet-96931484.pdf?src-supplier=TME, ComponentLink37URL=https://datasheet.octopart.com:443/C0603C103J5RACTU-KEMET-datasheet-96931484.pdf?src-supplier=TME, ComponentLink38Description=https://datasheet.octopart.com:443/C0603C103J5RACTU-KEMET-datasheet-68331906.pdf?src-supplier=TME, ComponentLink38URL=https://datasheet.octopart.com:443/C0603C103J5RACTU-KEMET-datasheet-68331906.pdf?src-supplier=TME, ComponentLink39Description=https://datasheet.octopart.com:443/C0603C103J5RACTU-KEMET-datasheet-160663178.pdf?src-supplier=JRH+Electronics, ComponentLink39URL=https://datasheet.octopart.com:443/C0603C103J5RACTU-KEMET-datasheet-160663178.pdf?src-supplier=JRH+Electronics, ComponentLink40Description=https://datasheet.octopart.com:443/C0603C103J5RACTU-KEMET-datasheet-110724412.pdf?src-supplier=RS+(Formerly+Allied+Electronics), ComponentLink40URL=https://datasheet.octopart.com:443/C0603C103J5RACTU-KEMET-datasheet-110724412.pdf?src-supplier=RS+(Formerly+Allied+Electronics), ComponentLink41Description=https://datasheet.octopart.com:443/C0603C103J5RACTU-Kemet-datasheet-464.pdf?src-supplier=RS+(Formerly+Allied+Electronics), ComponentLink41URL=https://datasheet.octopart.com:443/C0603C103J5RACTU-Kemet-datasheet-464.pdf?src-supplier=RS+(Formerly+Allied+Electronics), ComponentLink42Description=https://datasheet.octopart.com/C0603C103J5RACTU-KEMET-datasheet-84169754.pdf, ComponentLink42URL=https://datasheet.octopart.com/C0603C103J5RACTU-KEMET-datasheet-84169754.pdf, ComponentLink43Description=https://datasheet.octopart.com:443/C0603C103J5RACTU-Kemet-datasheet-24570007.pdf?src-supplier=element14+APAC, ComponentLink43URL=https://datasheet.octopart.com:443/C0603C103J5RACTU-Kemet-datasheet-24570007.pdf?src-supplier=element14+APAC, ComponentLink44Description=https://datasheet.octopart.com:443/C0603C103J5RACTU-Kemet-datasheet-22084244.pdf?src-supplier=element14+APAC, ComponentLink44URL=https://datasheet.octopart.com:443/C0603C103J5RACTU-Kemet-datasheet-22084244.pdf?src-supplier=element14+APAC, ComponentLink45Description=https://datasheet.octopart.com:443/C0603C103J5RACTU-Kemet-datasheet-11807495.pdf?src-supplier=Arrow+Electronics, ComponentLink45URL=https://datasheet.octopart.com:443/C0603C103J5RACTU-Kemet-datasheet-11807495.pdf?src-supplier=Arrow+Electronics, ComponentLink46Description=https://datasheet.octopart.com:443/C0603C103J5RAC-TU-Kemet-datasheet-7275486.pdf?src-supplier=Jameco, ComponentLink46URL=https://datasheet.octopart.com:443/C0603C103J5RAC-TU-Kemet-datasheet-7275486.pdf?src-supplier=Jameco, Contact Plating=Tin, Depth=800µm, Dissipation Factor=2.5%, Height=800µm, Lead Free="Lead Free", Lead Pitch=700µm, Length=1.6mm, Lifecycle Status=Production, Manufacturer Part Number=C0603C103J5RACTU, Material=Ceramic, Mounting Technology="Surface Mount", Number of Terminals=2, Packaging="Cut Tape", Pins=2, Pricing="20000=0,0043 (USD)", Radiation Hardening=No, REACH SVHC=Yes, RoHS=Compliant, Schedule B="8532240020, 8532240020|8532240020, 8532240020|8532240020|8532240020, 8532240020|8532240020|8532240020|8532240020", Stock=896000, Supplier="Arrow Electronics", Supplier Part Number=C0603C103J5RACTU, Termination=SMD/SMT, Thickness=863.6µm, Voltage Rating=50V, Voltage Rating (DC)=50V, Width=800µm
C7: library part "CAP ALUM 47UF 25V", "Radial Can - SMD ALUMINUM ELECTROLYTIC CAPACITOR FK 25V 47muF ±20% 0.248Dia 6.30mm", Case/Package=Radial, Dielectric Material=Aluminium, ESR (Equivalent Series Resistance)=360mΩ, Leakage Current=11.75µA, Manufacturer=Panasonic, Manufacturer Part Number=EEEFK1E470P, Max Operating Temperature=105°C, Min Operating Temperature=-55°C, Ripple Current=180mA, Ripple Current (AC)=240mA, Tolerance=20%, Voltage=25V, Category="Aluminum Electrolytic Capacitors", ComponentLink1Description=https://datasheet.octopart.com:443/EEEFK1E470P-Panasonic-datasheet-169278531.pdf?src-supplier=IHS, ComponentLink1URL=https://datasheet.octopart.com:443/EEEFK1E470P-Panasonic-datasheet-169278531.pdf?src-supplier=IHS, ComponentLink2Description=https://datasheet.octopart.com:443/EEEFK1E470P-Panasonic-datasheet-62287436.pdf?src-supplier=Newark, ComponentLink2URL=https://datasheet.octopart.com:443/EEEFK1E470P-Panasonic-datasheet-62287436.pdf?src-supplier=Newark, ComponentLink3Description=https://datasheet.octopart.com:443/EEEFK1E470P-Panasonic-datasheet-8161.pdf?src-supplier=Newark, ComponentLink3URL=https://datasheet.octopart.com:443/EEEFK1E470P-Panasonic-datasheet-8161.pdf?src-supplier=Newark, ComponentLink4Description=https://datasheet.octopart.com:443/EEEFK1E470P-Panasonic-datasheet-61627622.pdf?src-supplier=Newark, ComponentLink4URL=https://datasheet.octopart.com:443/EEEFK1E470P-Panasonic-datasheet-61627622.pdf?src-supplier=Newark, ComponentLink5Description=https://datasheet.octopart.com:443/EEEFK1E470P-Panasonic-datasheet-8852369.pdf?src-supplier=Newark, ComponentLink5URL=https://datasheet.octopart.com:443/EEEFK1E470P-Panasonic-datasheet-8852369.pdf?src-supplier=Newark, ComponentLink6Description=https://datasheet.octopart.com:443/EEEFK1E470P-Panasonic-datasheet-8712906.pdf?src-supplier=Newark, ComponentLink6URL=https://datasheet.octopart.com:443/EEEFK1E470P-Panasonic-datasheet-8712906.pdf?src-supplier=Newark, ComponentLink7Description=https://datasheet.octopart.com:443/EEEFK1E470P-Panasonic-datasheet-13278598.pdf?src-supplier=Newark, ComponentLink7URL=https://datasheet.octopart.com:443/EEEFK1E470P-Panasonic-datasheet-13278598.pdf?src-supplier=Newark, ComponentLink8Description=https://datasheet.octopart.com:443/EEE-FK1E470P-Panasonic-datasheet-22087609.pdf?src-supplier=Newark, ComponentLink8URL=https://datasheet.octopart.com:443/EEE-FK1E470P-Panasonic-datasheet-22087609.pdf?src-supplier=Newark, ComponentLink9Description=https://datasheet.octopart.com:443/EEEFK1E470P-Panasonic-datasheet-13266987.pdf?src-supplier=RS+(Formerly+Allied+Electronics), ComponentLink9URL=https://datasheet.octopart.com:443/EEEFK1E470P-Panasonic-datasheet-13266987.pdf?src-supplier=RS+(Formerly+Allied+Electronics), ComponentLink10Description=https://datasheet.octopart.com:443/EEEFK1E470P-Panasonic-datasheet-8854493.pdf?src-supplier=Future+Electronics, ComponentLink10URL=https://datasheet.octopart.com:443/EEEFK1E470P-Panasonic-datasheet-8854493.pdf?src-supplier=Future+Electronics, ComponentLink11Description=https://datasheet.octopart.com:443/EEEFK1E470P-Panasonic-datasheet-8711795.pdf?src-supplier=Future+Electronics, ComponentLink11URL=https://datasheet.octopart.com:443/EEEFK1E470P-Panasonic-datasheet-8711795.pdf?src-supplier=Future+Electronics, ComponentLink12Description=https://datasheet.octopart.com:443/EEEFK1E470P-Panasonic-datasheet-5313801.pdf?src-supplier=Future+Electronics, ComponentLink12URL=https://datasheet.octopart.com:443/EEEFK1E470P-Panasonic-datasheet-5313801.pdf?src-supplier=Future+Electronics, ComponentLink13Description=https://datasheet.octopart.com:443/EEE-FK1E470P-Panasonic-datasheet-150469824.pdf?src-supplier=JRH+Electronics, ComponentLink13URL=https://datasheet.octopart.com:443/EEE-FK1E470P-Panasonic-datasheet-150469824.pdf?src-supplier=JRH+Electronics, ComponentLink14Description=https://datasheet.octopart.com:443/EEE-FK1E470P-Panasonic-datasheet-11546739.pdf?src-supplier=Electro+Sonic, ComponentLink14URL=https://datasheet.octopart.com:443/EEE-FK1E470P-Panasonic-datasheet-11546739.pdf?src-supplier=Electro+Sonic, ComponentLink15Description=https://datasheet.octopart.com:443/EEEFK1E470P-Panasonic-datasheet-7555708.pdf?src-supplier=Jameco, ComponentLink15URL=https://datasheet.octopart.com:443/EEEFK1E470P-Panasonic-datasheet-7555708.pdf?src-supplier=Jameco, ComponentLink16Description=https://sigma.octopart.com:443/150570760/technical_drawing/Panasonic-EEEFK1E470P.pdf?src-supplier=Panasonic+SCT, ComponentLink16URL=https://sigma.octopart.com:443/150570760/technical_drawing/Panasonic-EEEFK1E470P.pdf?src-supplier=Panasonic+SCT, ComponentLink17Description=https://datasheet.octopart.com:443/EEEFK1E470P-Panasonic-datasheet-136531309.pdf?src-supplier=TME, ComponentLink17URL=https://datasheet.octopart.com:443/EEEFK1E470P-Panasonic-datasheet-136531309.pdf?src-supplier=TME, ComponentLink18Description=https://datasheet.octopart.com:443/EEEFK1E470P-Panasonic-datasheet-136348055.pdf?src-supplier=TME, ComponentLink18URL=https://datasheet.octopart.com:443/EEEFK1E470P-Panasonic-datasheet-136348055.pdf?src-supplier=TME, ComponentLink19Description=https://datasheet.octopart.com:443/EEEFK1E470P-Panasonic-datasheet-5318435.pdf?src-supplier=Farnell, ComponentLink19URL=https://datasheet.octopart.com:443/EEEFK1E470P-Panasonic-datasheet-5318435.pdf?src-supplier=Farnell, ComponentLink20Description=https://datasheet.octopart.com:443/EEEFK1E470P-Panasonic-datasheet-5316599.pdf?src-supplier=Farnell, ComponentLink20URL=https://datasheet.octopart.com:443/EEEFK1E470P-Panasonic-datasheet-5316599.pdf?src-supplier=Farnell, ComponentLink21Description=https://datasheet.octopart.com:443/EEEFK1E470P-Panasonic-datasheet-5390910.pdf?src-supplier=Farnell, ComponentLink21URL=https://datasheet.octopart.com:443/EEEFK1E470P-Panasonic-datasheet-5390910.pdf?src-supplier=Farnell, ComponentLink22Description=https://datasheet.octopart.com:443/EEEFK1E470P-Panasonic-datasheet-7550061.pdf?src-supplier=Farnell, ComponentLink22URL=https://datasheet.octopart.com:443/EEEFK1E470P-Panasonic-datasheet-7550061.pdf?src-supplier=Farnell, ComponentLink23Description=https://datasheet.octopart.com:443/EEEFK1E470P-Panasonic-datasheet-1770.pdf?src-supplier=Farnell, ComponentLink23URL=https://datasheet.octopart.com:443/EEEFK1E470P-Panasonic-datasheet-1770.pdf?src-supplier=Farnell, ComponentLink24Description=https://datasheet.octopart.com:443/EEEFK1E470P-Panasonic-datasheet-1290.pdf?src-supplier=Farnell, ComponentLink24URL=https://datasheet.octopart.com:443/EEEFK1E470P-Panasonic-datasheet-1290.pdf?src-supplier=Farnell, ComponentLink25Description=https://datasheet.octopart.com:443/EEEFK1E470P-Panasonic-datasheet-2601.pdf?src-supplier=Farnell, ComponentLink25URL=https://datasheet.octopart.com:443/EEEFK1E470P-Panasonic-datasheet-2601.pdf?src-supplier=Farnell, ComponentLink26Description=https://datasheet.octopart.com:443/EEEFK1E470P-Panasonic-datasheet-122249.pdf?src-supplier=Farnell, ComponentLink26URL=https://datasheet.octopart.com:443/EEEFK1E470P-Panasonic-datasheet-122249.pdf?src-supplier=Farnell, ComponentLink27Description=https://datasheet.octopart.com:443/EEEFK1E470P-Panasonic-datasheet-4056.pdf?src-supplier=Farnell, ComponentLink27URL=https://datasheet.octopart.com:443/EEEFK1E470P-Panasonic-datasheet-4056.pdf?src-supplier=Farnell, Contact Plating=Tin, Diameter=6.3mm, Dissipation Factor=14%, Height=5.8mm, Height - Seated (Max)=6.096mm, Lead Free="Lead Free", Length=6.6mm, Life (Hours)=2000hours, Lifecycle Status=Production, Mounting Technology="Surface Mount", Number of Terminals=2, Packaging="Cut Tape", Pins=2, Polarity=Polar, Pricing="1000=0,0922, 2000=0,091, 3000=0,09, 4000=0,086, 5000=0,085, 10000=0,08 (USD)", Radiation Hardening=No, REACH SVHC=Yes, RoHS=Compliant, Schedule B="8532220020, 8532220020|8532220020|8532220020|8532220020|8532220020|8532220020|8532220020|8532220020|8532220020|8532220020|8532220020|8532220020|8532220020|8532220020|8532220020|8532220020|8532220020|8532220020|8532220020|8532220020|8532220020|8532220020|8532220020|85", Stock=18000, Supplier="Arrow Electronics", Supplier Part Number=EEE-FK1E470P, Termination=SMD/SMT, Voltage Rating=25V, Voltage Rating (AC)=25V, Voltage Rating (DC)=25V, Width=6.6mm, Impedance=360mΩ